# Allegro board 1281021_HW-FMC-XM500_Rev1_0.brd (continued)
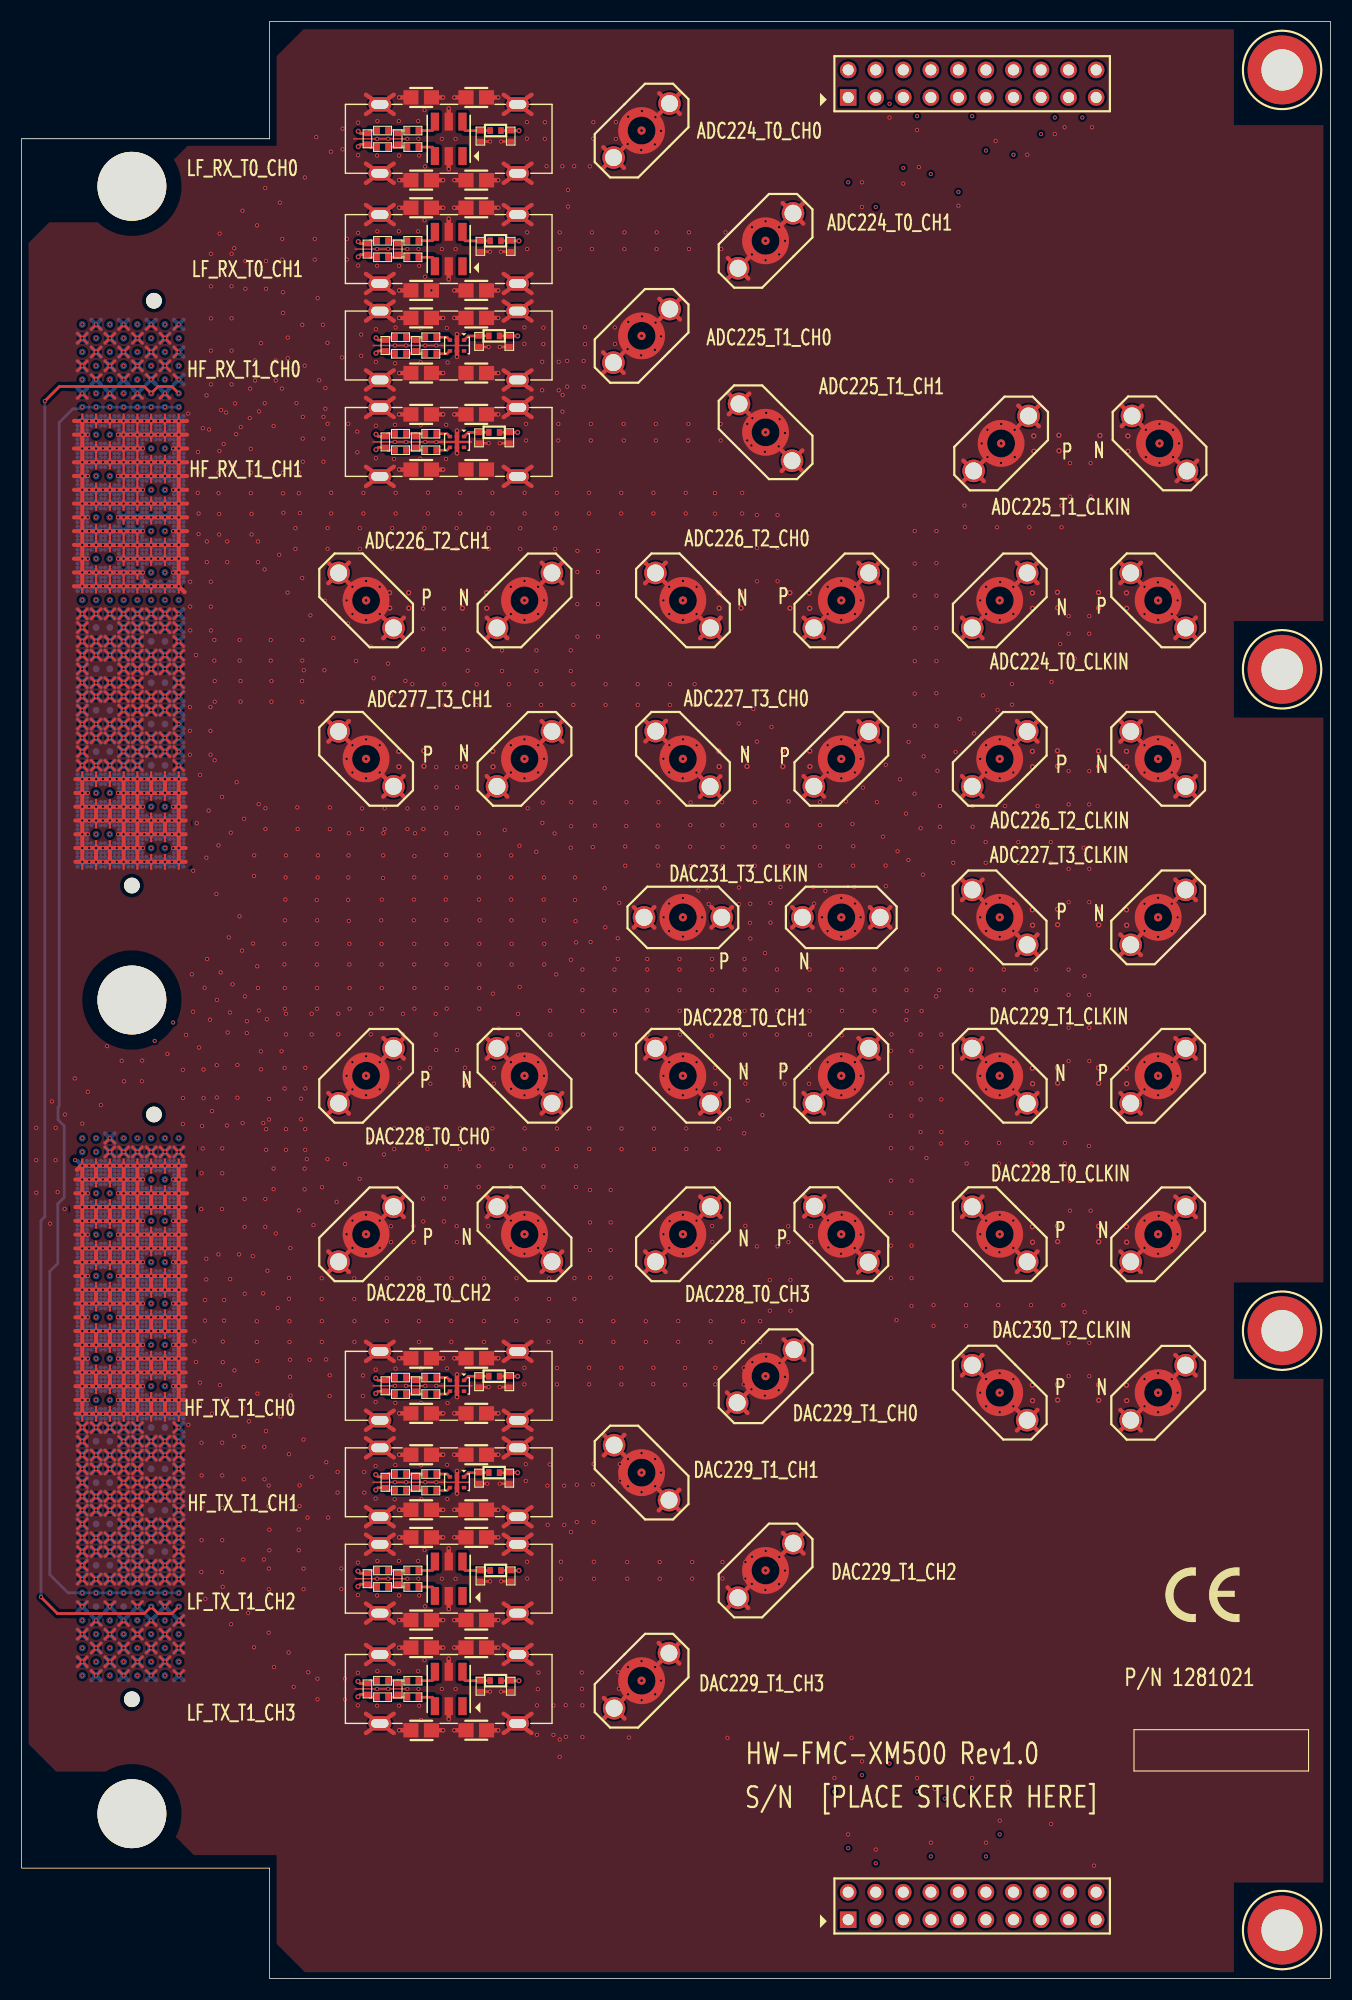
[diagram p0: board, top side]
## Routing (per net, layer and track width the routed paths; a pad name or vN(x,y) marks a point on that pad's centre or on a via; arc(x,y) is an arc through that point) (continued)
VCC1V8_BUS: length 138.2
  TOP w0.254: v2(2.13,145.37) 3.48,146.72 11.3,146.72 11.93,146.08 v2(11.94,146.08) 11.94,146.08 12.57,146.72 13.85,146.72 v2(14.48,146.08) ; v2(14.48,34.26) 13.84,33.62 12.57,33.62 v2(11.94,34.26) 11.3,33.62 3.29,33.62 v2(1.78,35.13)
  BOTTOM w0.254: v2(2.13,145.37) 2.13,70.19 1.78,69.83 v2(1.78,35.13)
VCC12_SW: length 5.1
  L02_GND/RF-SIG w0.508: v2(14.48,77.44) v2(13.21,77.44) v2(11.94,77.44) v2(10.67,77.44) v2(9.4,77.44)
ADC_CLKIN_0_N: length 106.3
  L02_GND/RF-SIG w0.104: 14.23,107.54 14.2,107.54 14.12,107.46 12.79,107.46 arc(12.71,107.49) 12.68,107.57 12.68,107.88 arc(12.71,107.95) 12.79,107.98 v2(13.21,107.98)
  L02_GND/RF-SIG w0.127: 14.23,107.54 15.94,107.54 arc(16.4,107.45) 16.78,107.19 21.05,102.92 arc(21.26,102.79) 21.5,102.74 47.16,102.74 arc(47.4,102.79) 47.61,102.92 49.69,105 arc(50.08,105.26) 50.53,105.35 76.55,105.35 arc(76.79,105.4) 77,105.54 89.64,118.19 arc(90.03,118.44) 90.48,118.53 92.11,118.53 arc(92.35,118.58) 92.56,118.72 97.1,123.26 arc(97.23,123.46) 97.28,123.71 97.28,126.37 arc(97.1,126.81) 96.65,127 v1(90.17,127)
ADC_CLKIN_0_P: length 107.2
  L02_GND/RF-SIG w0.104: v2(11.94,107.98) 12.36,107.98 arc(12.43,107.95) 12.46,107.88 12.46,107.57 arc(12.56,107.34) 12.79,107.24 14.12,107.24 14.2,107.16 14.23,107.16
  L02_GND/RF-SIG w0.127: 14.23,107.16 15.94,107.16 arc(16.25,107.1) 16.52,106.92 20.78,102.65 arc(21.11,102.43) 21.5,102.36 47.16,102.36 arc(47.55,102.43) 47.88,102.65 49.96,104.73 arc(50.22,104.91) 50.53,104.97 76.55,104.97 arc(76.94,105.05) 77.26,105.27 89.91,117.92 arc(90.18,118.09) 90.48,118.15 92.11,118.15 arc(92.5,118.23) 92.83,118.45 97.37,122.99 arc(97.59,123.32) 97.66,123.71 97.66,126.37 arc(97.85,126.81) 98.3,127 v1(104.77,127)
ADC_CLKIN_1_N: length 130.6
  L02_GND/RF-SIG w0.104: v2(8.13,109.25) 7.71,109.25 arc(7.63,109.29) 7.6,109.36 7.6,109.67 arc(7.63,109.75) 7.71,109.78 9.04,109.78 9.12,109.7 9.15,109.7
  L02_GND/RF-SIG w0.127: 9.15,109.7 15.76,109.7 arc(16,109.65) 16.21,109.51 20.98,104.74 arc(21.36,104.49) 21.82,104.39 44.4,104.39 arc(44.79,104.47) 45.12,104.69 47.44,107.02 arc(47.71,107.19) 48.02,107.26 76.27,107.26 arc(76.66,107.33) 76.99,107.55 83.27,113.84 arc(83.49,114.17) 83.57,114.56 83.57,133.88 arc(83.75,134.32) 84.2,134.51 96.77,134.51 arc(97.49,134.81) 97.79,135.53 97.79,140.84 arc(97.98,141.28) 98.42,141.47 v1(104.9,141.47)
ADC_CLKIN_1_P: length 130.4
  L02_GND/RF-SIG w0.104: v2(6.86,109.25) 7.28,109.25 arc(7.35,109.29) 7.38,109.36 7.38,109.67 arc(7.48,109.9) 7.71,110 9.04,110 9.12,110.08 9.15,110.08
  L02_GND/RF-SIG w0.127: v1(90.3,141.47) 96.77,141.47 arc(97.22,141.28) 97.41,140.84 97.41,135.53 arc(97.22,135.08) 96.77,134.89 84.2,134.89 arc(83.48,134.59) 83.19,133.88 83.19,114.56 arc(83.14,114.31) 83,114.11 76.72,107.82 arc(76.51,107.69) 76.27,107.64 48.02,107.64 arc(47.56,107.55) 47.18,107.29 44.85,104.96 arc(44.64,104.82) 44.4,104.78 21.82,104.78 arc(21.51,104.84) 21.25,105.01 16.48,109.78 arc(16.15,110) 15.76,110.08 9.15,110.08
ADC_CLKIN_2_N: length 102.6
  L02_GND/RF-SIG w0.104: v2(13.21,104.17) 12.79,104.17 arc(12.71,104.14) 12.68,104.07 12.68,103.76 arc(12.71,103.68) 12.79,103.65 14.12,103.65 14.2,103.73 14.23,103.73
  L02_GND/RF-SIG w0.127: v1(104.77,97.79) 98.3,97.79 arc(97.85,97.98) 97.66,98.43 97.66,102.95 arc(97.37,103.66) 96.65,103.96 84.21,103.96 arc(83.76,103.87) 83.37,103.61 81.75,101.99 arc(81.54,101.85) 81.3,101.8 56.57,101.8 arc(56.18,101.73) 55.85,101.51 53.2,98.85 arc(52.99,98.71) 52.75,98.66 21.18,98.66 arc(20.87,98.72) 20.61,98.9 16.12,103.38 arc(15.74,103.64) 15.28,103.73 14.23,103.73
ADC_CLKIN_2_P: length 102.4
  L02_GND/RF-SIG w0.104: 14.23,103.35 14.2,103.35 14.12,103.43 12.79,103.43 arc(12.56,103.53) 12.46,103.76 12.46,104.07 arc(12.43,104.14) 12.36,104.17 v2(11.94,104.17)
  L02_GND/RF-SIG w0.127: v1(90.17,97.79) 96.65,97.79 arc(97.1,97.98) 97.28,98.43 97.28,102.95 arc(97.1,103.4) 96.65,103.58 84.21,103.58 arc(83.9,103.52) 83.64,103.34 82.01,101.72 arc(81.69,101.5) 81.3,101.42 56.57,101.42 arc(56.33,101.37) 56.12,101.24 53.47,98.58 arc(53.14,98.36) 52.75,98.28 21.18,98.28 arc(20.72,98.37) 20.34,98.63 15.85,103.11 arc(15.59,103.29) 15.28,103.35 14.23,103.35
ADC_CLKIN_3_N: length 107.8
  L02_GND/RF-SIG w0.104: 9.15,105.89 9.12,105.89 9.04,105.97 7.71,105.97 arc(7.63,105.94) 7.6,105.86 7.6,105.55 arc(7.63,105.48) 7.71,105.44 v2(8.13,105.44)
  L02_GND/RF-SIG w0.127: v1(104.77,112.4) 98.3,112.4 arc(97.85,112.21) 97.66,111.76 97.66,107.92 arc(97.37,107.2) 96.65,106.9 82.96,106.9 arc(82.72,106.85) 82.51,106.71 79.34,103.54 arc(79.01,103.32) 78.62,103.24 54.58,103.24 arc(54.34,103.19) 54.13,103.06 51.69,100.62 arc(51.36,100.4) 50.98,100.32 21.35,100.32 arc(20.89,100.41) 20.51,100.67 15.47,105.7 arc(15.27,105.84) 15.02,105.89 9.15,105.89
ADC_CLKIN_3_P: length 107.5
  L02_GND/RF-SIG w0.104: 9.15,106.27 9.12,106.27 9.04,106.19 7.71,106.19 arc(7.48,106.09) 7.38,105.86 7.38,105.55 arc(7.35,105.48) 7.28,105.44 v2(6.86,105.44)
  L02_GND/RF-SIG w0.127: v1(90.17,112.4) 96.65,112.4 arc(97.1,112.21) 97.28,111.76 97.28,107.92 arc(97.1,107.47) 96.65,107.28 82.96,107.28 arc(82.57,107.2) 82.24,106.98 79.07,103.81 arc(78.86,103.67) 78.62,103.62 54.58,103.62 arc(54.19,103.55) 53.86,103.33 51.42,100.89 arc(51.22,100.75) 50.98,100.7 21.35,100.7 arc(21.04,100.76) 20.78,100.94 15.74,105.97 arc(15.41,106.19) 15.02,106.27 9.15,106.27
ADCIO_00: length 75.5
  L02_GND/RF-SIG w0.127: J10.1 v2(76.2,165.54)
  L05_SIG w0.127: v2(14.48,151.16) 15.65,151.16 16.54,152.05 19.66,152.05 20.52,152.91 26.17,152.91 27.24,153.98 29.06,153.98 32.41,157.33 41.02,157.33 41.69,158 59.17,158 61.53,160.36 62,160.36 67.18,165.54 v2(76.2,165.54)
ADCIO_01: length 80.4
  L02_GND/RF-SIG w0.127: J10.3 v2(78.74,163.25)
  L05_SIG w0.127: v2(78.74,163.25) 70.79,155.3 57.58,155.3 55.46,153.18 48.19,153.18 46.1,151.09 33.81,151.09 33.66,150.93 29.28,150.93 28.22,149.88 20.87,149.88 20.37,149.39 17.61,149.39 16.85,148.62 v2(14.48,148.62)
ADCIO_02: length 80.7
  L02_GND/RF-SIG w0.127: v2(81.28,166.86) 81.28,170.89 81.43,171.03 81.43,173.21 J10.5
  L05_SIG w0.127: v2(81.28,166.86) 65.29,166.86 58.76,160.33 49.35,160.33 48.85,159.83 38.05,159.83 37.1,158.88 31.32,158.88 28.41,155.98 26.13,155.98 24.72,154.57 16.46,154.57 15.01,153.11 13.89,153.11 v2(13.21,152.43)
ADCIO_03: length 84.8
  L02_GND/RF-SIG w0.127: J10.7 v2(83.82,166.3)
  L05_SIG w0.127: v2(83.82,166.3) 82.42,164.9 67.76,164.9 60.15,157.3 43.27,157.3 40.93,154.96 31.43,154.96 29.69,153.22 27.69,153.22 26.13,151.67 25.28,151.67 24.81,152.13 21.09,152.13 20.26,151.29 16.87,151.29 16.11,150.53 13.84,150.53 v2(13.21,149.89)
ADCIO_04: length 91.2
  L02_GND/RF-SIG w0.127: J10.9 v2(86.36,164.65)
  L05_SIG w0.127: v2(13.21,147.35) 13.84,146.73 15.48,146.73 16.08,147.33 20.4,147.33 20.92,147.85 27.95,147.85 29.42,146.39 46.57,146.39 47.48,147.29 52.15,147.29 52.67,146.77 59,146.77 65.83,153.6 75.31,153.6 v2(86.36,164.65)
ADCIO_05: length 89
  L02_GND/RF-SIG w0.127: J10.11 v2(88.9,168.46)
  L05_SIG w0.127: v2(88.9,168.46) 87.38,166.94 83.5,166.94 82.78,166.22 66.09,166.22 58.55,158.68 40.86,158.68 40.48,158.3 32.08,158.3 29.2,155.42 26.98,155.42 25.58,154.02 17.44,154.02 15.22,151.81 12.58,151.81 v2(11.94,151.16)
ADCIO_06: length 95.5
  L02_GND/RF-SIG w0.127: J10.13 v2(91.44,168.08)
  L05_SIG w0.127: v2(11.94,148.62) 12.56,148 17.67,148 18.13,148.46 24.8,148.46 25.5,149.16 28.38,149.16 29.14,148.39 33.65,148.39 34.58,147.46 44.09,147.46 45.02,148.39 52.57,148.39 53.53,147.44 55.47,147.44 55.48,147.44 55.53,147.44 57.46,147.44 64.52,154.49 74.55,154.49 85.47,165.41 88.77,165.41 v2(91.44,168.08)
ADCIO_07: length 94
  L02_GND/RF-SIG w0.127: J10.15 v2(93.98,169.98)
  L05_SIG w0.127: v2(10.67,152.43) 11.58,153.35 13.08,153.35 14.96,155.23 23.07,155.23 24.37,156.52 27.18,156.52 30.86,160.2 37.47,160.2 37.67,160.41 47.19,160.41 48.39,161.6 57.4,161.6 63.37,167.57 86.87,167.57 89.28,169.98 v2(93.98,169.98)
ADCIO_08: length 112.1
  L05_SIG w0.127: v2(10.67,149.89) 10.05,150.52 5.35,150.52 4.78,151.08 4.78,154.02 8.68,157.92 15.13,157.92 17.09,159.88 18.67,159.88 19.5,160.71 21.84,160.71 23.34,162.22 24.74,162.22 30.3,167.78 30.3,168.28 32.38,170.36 33.02,170.36 36.96,174.3 71.25,174.3 74.52,171.02 80.53,171.02 81.77,172.27 95.43,172.27 J10.17
ADCIO_09: length 102.7
  L05_SIG w0.127: J10.19 99.06,171.79 94.48,167.2 91.71,167.2 77.03,152.52 67.65,152.52 60.47,145.34 47.25,145.34 46.81,145.78 26.25,145.78 26.17,145.86 18.8,145.86 18.28,145.35 15.75,145.35 15.63,145.46 14.09,145.46 14.08,145.46 14.03,145.46 12.82,145.46 12.81,145.46 12.76,145.46 11.58,145.46 11.29,145.76 11.29,146.73 v2(10.67,147.35)
ADCIO_10: length 102.5
  L05_SIG w0.127: v2(9.4,151.16) 10.02,151.79 10.02,154.36 11.54,155.89 16.75,155.89 17.26,156.4 22.86,156.4 23.62,157.16 26.56,157.16 28.75,159.34 28.75,159.67 29.57,160.49 29.57,160.49 29.81,160.73 29.81,160.73 30.56,161.47 47.01,161.47 48.15,162.62 57.15,162.62 62.74,168.21 86.49,168.21 89.03,170.75 95.45,170.75 97.79,173.08 97.79,174.62 J10.20
ADCIO_11: length 103.6
  L02_GND/RF-SIG w0.127: J10.18 97.79,174.62 v2(97.79,171.51)
  L05_SIG w0.127: v2(9.4,148.62) 10.03,149.26 16.11,149.26 17.5,150.65 21.06,150.65 21.68,151.27 22.97,151.27 23.62,150.62 27.12,150.62 28.98,152.48 33.96,152.48 34.29,152.81 34.29,153.21 34.75,153.67 34.81,153.67 43.34,153.67 44.57,154.89 55.65,154.89 56.99,156.23 68.16,156.23 75.95,164.01 82.93,164.01 85.09,166.17 88.14,166.17 91.06,169.09 95.38,169.09 v2(97.79,171.51)
ADCIO_12: length 100.6
  L02_GND/RF-SIG w0.127: v2(95.25,171.51) 95.25,174.62 J10.16
  L05_SIG w0.127: v2(8.13,152.43) 8.13,153.6 10.92,156.39 16.18,156.39 16.81,157.03 22.1,157.03 22.91,157.84 25.39,157.84 31.69,164.14 57.4,164.14 62.1,168.84 85.98,168.84 88.65,171.51 v2(95.25,171.51)
ADCIO_13: length 109.6
  L05_SIG w0.127: v2(8.13,149.89) 7.5,149.27 4.35,149.27 3.33,150.29 3.33,154.89 7.37,158.93 14.35,158.93 19.8,164.39 23.65,164.39 28.07,168.8 28.07,171.89 31.88,175.7 73.02,175.7 74.08,174.65 90.19,174.65 J10.14
ADCIO_14: length 116.7
  L05_SIG w0.127: v2(8.13,147.35) 8.13,147.32 7.5,146.69 7.5,145.77 7.18,145.45 4.44,145.45 1.08,148.81 1.08,155.89 6.03,160.83 13.2,160.83 20.64,168.28 23.95,168.28 24.64,168.97 24.64,172.02 30.86,178.24 86.56,178.24 J10.12
ADCIO_15: length 95.5
  L02_GND/RF-SIG w0.127: v2(87.63,171.63) 87.63,174.62 J10.10
  L05_SIG w0.127: v2(6.86,151.16) 7.47,151.78 7.47,154.35 10.02,156.9 15.83,156.9 16.55,157.62 21.09,157.62 22.66,159.19 24.31,159.19 30.16,165.03 48.89,165.03 49.4,165.54 57.53,165.54 61.59,169.6 85.6,169.6 v2(87.63,171.63)
ADCIO_16: length 107
  L05_SIG w0.127: J10.8 83.77,175.9 82.32,177.35 31.24,177.35 25.53,171.63 25.53,168.87 24.3,167.64 21.02,167.64 13.59,160.2 6.5,160.2 1.82,155.53 1.82,149.2 4.31,146.71 5.91,146.71 6.23,147.03 6.23,148 v2(6.86,148.62)
  L05_SIG w0.203: 6.86,148.62 v2(6.86,148.62)
ADCIO_17: length 91.4
  L02_GND/RF-SIG w0.127: J10.6 82.55,174.62 v2(82.55,171.63)
  L05_SIG w0.127: v2(5.59,152.43) 5.59,153.62 9.38,157.41 15.49,157.41 16.35,158.27 19.64,158.27 21.21,159.84 22.5,159.84 23.97,161.31 25.14,161.31 31.27,167.44 36.98,167.44 37.11,167.57 46.48,167.57 47.75,166.3 57.02,166.3 61.08,170.37 81.28,170.37 v2(82.55,171.63)
ADCIO_18: length 97.1
  L02_GND/RF-SIG w0.127: J10.4 80.01,174.62 v2(80.01,172.78)
  L05_SIG w0.127: v2(5.59,149.89) 4.89,149.89 4.07,150.72 4.07,154.52 7.98,158.43 14.77,158.43 18.45,162.11 20.89,162.11 21.83,163.05 24.34,163.05 29.03,167.74 29.03,171.13 32.84,174.94 72.39,174.94 75.22,172.11 79.34,172.11 v2(80.01,172.78)
ADCIO_19: length 94
  L05_SIG w0.127: v2(5.59,147.35) 4.91,147.35 2.61,149.66 2.61,155.25 6.93,159.57 13.97,159.57 20.71,166.31 24.58,166.31 26.42,168.15 26.42,171.38 31.5,176.46 73.95,176.46 74.52,175.9 J10.2
DAC_AVTT_BUS: length 3.8
  L02_GND/RF-SIG w0.508: v2(5.59,76.17) v2(5.59,77.44) v2(6.86,77.44) v2(6.86,76.17)
DAC_CLKIN_0_N: length 129.8
  L02_GND/RF-SIG w0.104: v2(13.21,73.63) 12.79,73.63 arc(12.71,73.59) 12.68,73.52 12.68,73.42 arc(12.78,73.19) 13,73.1 14.12,73.1 14.2,73.18 14.23,73.18
  L02_GND/RF-SIG w0.127: v1(104.77,68.58) 98.42,68.58 arc(97.99,68.75) 97.79,69.17 97.79,69.22 97.79,75.34 arc(97.52,75.98) 96.89,76.24 84.66,76.24 arc(84.21,76.43) 84.02,76.88 84.02,89.3 arc(83.73,90.02) 83.01,90.31 48.93,90.31 arc(48.62,90.38) 48.36,90.55 46.71,92.2 arc(46.38,92.42) 46,92.49 21.59,92.49 arc(21.2,92.42) 20.87,92.2 18.31,89.63 arc(18.09,89.31) 18.01,88.92 18.01,86.88 arc(17.95,86.57) 17.77,86.31 15.92,84.45 arc(15.7,84.12) 15.62,83.73 15.62,73.82 arc(15.44,73.37) 14.99,73.18 14.23,73.18
DAC_CLKIN_0_P: length 129.8
  L02_GND/RF-SIG w0.104: 14.23,72.8 14.2,72.8 14.12,72.88 13,72.88 arc(12.62,73.04) 12.46,73.42 12.46,73.52 arc(12.43,73.59) 12.36,73.63 v2(11.94,73.63)
  L02_GND/RF-SIG w0.127: 14.23,72.8 14.99,72.8 arc(15.7,73.1) 16,73.82 16,83.73 arc(16.05,83.98) 16.19,84.18 18.04,86.04 arc(18.3,86.42) 18.39,86.88 18.39,88.92 arc(18.44,89.16) 18.58,89.37 21.14,91.93 arc(21.34,92.06) 21.59,92.11 46,92.11 arc(46.24,92.06) 46.44,91.93 48.09,90.28 arc(48.48,90.02) 48.93,89.93 83.01,89.93 arc(83.46,89.75) 83.64,89.3 83.64,76.88 arc(83.94,76.16) 84.66,75.86 96.89,75.86 arc(97.25,75.71) 97.41,75.34 97.41,69.21 97.41,69.16 97.4,69.16 arc(97.2,68.75) 96.77,68.58 v1(90.17,68.58)
DAC_CLKIN_1_N: length 126.7
  L02_GND/RF-SIG w0.104: 5.84,73.18 5.87,73.18 5.95,73.1 7.28,73.1 arc(7.51,73) 7.6,72.77 7.6,72.46 arc(7.63,72.39) 7.71,72.36 v2(8.13,72.36)
  L02_GND/RF-SIG w0.127: 5.84,73.18 4.8,73.18 arc(4.35,73.37) 4.17,73.81 4.17,78.17 arc(4.21,78.42) 4.35,78.62 8.98,83.25 arc(9.19,83.39) 9.43,83.44 12.72,83.44 arc(13.11,83.52) 13.43,83.74 16.49,86.79 arc(16.71,87.12) 16.79,87.51 16.79,89.55 arc(16.84,89.79) 16.98,90 21,94.02 arc(21.2,94.16) 21.44,94.21 48.42,94.21 arc(48.67,94.16) 48.87,94.02 50.71,92.19 arc(51.09,91.93) 51.55,91.84 96.65,91.84 arc(97.1,91.65) 97.28,91.2 97.28,83.82 arc(97.1,83.37) 96.65,83.19 v1(90.17,83.19)
DAC_CLKIN_1_P: length 128.2
  L02_GND/RF-SIG w0.104: v2(6.86,72.36) 7.28,72.36 arc(7.35,72.39) 7.38,72.46 7.38,72.77 arc(7.35,72.85) 7.28,72.88 5.95,72.88 5.87,72.8 5.84,72.8
  L02_GND/RF-SIG w0.127: v1(104.77,83.19) 98.3,83.19 arc(97.85,83.37) 97.66,83.82 97.66,91.2 arc(97.37,91.92) 96.65,92.22 51.55,92.22 arc(51.24,92.28) 50.98,92.46 49.14,94.29 arc(48.81,94.51) 48.42,94.59 21.44,94.59 arc(21.06,94.51) 20.73,94.29 16.71,90.27 arc(16.49,89.94) 16.41,89.55 16.41,87.51 arc(16.36,87.27) 16.22,87.06 13.17,84.01 arc(12.96,83.87) 12.72,83.82 9.43,83.82 arc(9.04,83.74) 8.71,83.52 4.08,78.89 arc(3.86,78.56) 3.78,78.17 3.78,73.81 arc(4.08,73.1) 4.8,72.8 5.84,72.8
DAC_CLKIN_2_N: length 145
  L02_GND/RF-SIG w0.104: v2(13.21,69.82) 12.79,69.82 arc(12.71,69.78) 12.68,69.71 12.68,69.4 arc(12.71,69.32) 12.79,69.29 14.12,69.29 14.2,69.37 14.23,69.37
  L02_GND/RF-SIG w0.127: v1(104.77,53.98) 98.3,53.98 arc(97.85,54.16) 97.66,54.61 97.66,60.27 arc(97.37,60.98) 96.65,61.28 81.91,61.28 arc(81.47,61.47) 81.28,61.92 81.28,87.11 arc(80.98,87.83) 80.26,88.13 45.32,88.13 arc(45.01,88.19) 44.75,88.37 42.9,90.21 arc(42.58,90.43) 42.19,90.51 21.87,90.51 arc(21.48,90.43) 21.15,90.21 19.96,89.02 arc(19.7,88.63) 19.61,88.18 19.61,86.06 arc(19.56,85.82) 19.42,85.62 arc(19.34,85.53) 19.26,85.43 19.04,85.24 arc(18.82,84.91) 18.75,84.52 18.75,80.38 arc(18.68,80.07) 18.51,79.8 17.65,78.94 arc(17.43,78.61) 17.35,78.22 17.35,70.01 arc(17.16,69.56) 16.71,69.37 14.23,69.37
DAC_CLKIN_2_P: length 144.7
  L02_GND/RF-SIG w0.104: 14.23,68.99 14.2,68.99 14.12,69.07 12.79,69.07 arc(12.56,69.17) 12.46,69.4 12.46,69.71 arc(12.43,69.78) 12.36,69.82 v2(11.94,69.82)
  L02_GND/RF-SIG w0.127: v1(90.17,53.98) 96.65,53.98 arc(97.1,54.16) 97.28,54.61 97.28,60.27 arc(97.1,60.72) 96.65,60.9 81.91,60.9 arc(81.2,61.2) 80.9,61.92 80.9,87.11 arc(80.71,87.56) 80.26,87.75 45.32,87.75 arc(44.87,87.84) 44.48,88.1 42.64,89.94 arc(42.43,90.08) 42.19,90.13 21.87,90.13 arc(21.63,90.08) 21.42,89.94 20.23,88.75 arc(20.05,88.49) 19.99,88.18 19.99,86.06 arc(19.91,85.68) 19.69,85.35 arc(19.62,85.27) 19.56,85.19 19.55,85.19 19.55,85.2 19.31,84.97 arc(19.17,84.76) 19.13,84.52 19.13,80.38 arc(19.04,79.92) 18.78,79.53 17.92,78.67 arc(17.78,78.47) 17.73,78.22 17.73,70.01 arc(17.43,69.29) 16.71,68.99 14.23,68.99
DAC_CLKIN_3_N: length 101.9
  L02_GND/RF-SIG w0.104: v2(8.13,68.55) 7.71,68.55 arc(7.63,68.58) 7.6,68.65 7.6,68.96 arc(7.51,69.19) 7.28,69.29 5.95,69.29 5.87,69.37 5.84,69.37
  L02_GND/RF-SIG w0.127: v1(75.56,97.79) 73.92,99.43 arc(73.49,99.72) 72.98,99.82 68.91,99.82 arc(68.46,99.64) 68.28,99.19 68.28,95.73 arc(67.98,95.01) 67.26,94.72 54.76,94.72 arc(54.37,94.79) 54.04,95.01 53,96.06 arc(52.79,96.2) 52.55,96.24 21.27,96.24 arc(21.03,96.2) 20.82,96.06 15.35,90.58 arc(15.21,90.38) 15.16,90.14 15.16,88.27 arc(15.09,87.89) 14.87,87.56 12.9,85.59 arc(12.57,85.37) 12.18,85.29 9.13,85.29 arc(8.88,85.24) 8.68,85.11 2.68,79.1 arc(2.54,78.9) 2.49,78.65 2.49,71.56 arc(2.54,71.32) 2.68,71.11 4.23,69.56 arc(4.44,69.42) 4.68,69.37 5.84,69.37
DAC_CLKIN_3_P: length 101.7
  L02_GND/RF-SIG w0.104: v2(6.86,68.55) 7.28,68.55 arc(7.35,68.58) 7.38,68.65 7.38,68.96 arc(7.35,69.04) 7.28,69.07 5.95,69.07 5.87,68.99 5.84,68.99
  L02_GND/RF-SIG w0.127: 5.84,68.99 4.68,68.99 arc(4.29,69.07) 3.96,69.29 2.41,70.84 arc(2.19,71.17) 2.11,71.56 2.11,78.65 arc(2.19,79.04) 2.41,79.37 8.41,85.38 arc(8.74,85.6) 9.13,85.67 12.18,85.67 arc(12.43,85.72) 12.63,85.86 14.6,87.83 arc(14.73,88.03) 14.78,88.27 14.78,90.14 arc(14.86,90.52) 15.08,90.85 20.55,96.33 arc(20.88,96.55) 21.27,96.63 52.55,96.63 arc(52.94,96.55) 53.27,96.33 54.31,95.28 arc(54.52,95.15) 54.76,95.1 67.26,95.1 arc(67.71,95.28) 67.89,95.73 67.89,99.14 arc(67.89,99.19) 67.88,99.25 arc(67.67,99.62) 67.26,99.77 63.18,99.77 arc(62.94,99.72) 62.73,99.59 v1(60.96,97.79)
DACIO_00: length 82.4
  L02_GND/RF-SIG w0.127: v2(77.47,18.73) 77.69,18.51 77.69,6.88 J9.1
  L05_SIG w0.127: v2(14.48,31.72) 16.22,31.72 25.53,22.41 39.62,22.41 42.29,19.74 76.45,19.74 v2(77.47,18.73)
DACIO_01: length 83.1
  L02_GND/RF-SIG w0.127: v2(74.93,17.2) 74.93,4.15 75.27,3.81 77.15,3.81 J9.3
  L05_SIG w0.127: v2(14.48,29.18) 15.19,29.18 24.03,20.34 36.49,20.34 39.62,17.2 v2(74.93,17.2)
DACIO_02: length 88.1
  L02_GND/RF-SIG w0.127: v2(80.01,19.79) 80.01,6.67 J9.5
  L05_SIG w0.127: v2(13.21,32.99) 13.81,33.58 15.07,33.58 15.37,33.27 20.01,33.27 26.56,26.73 30.73,26.73 31.37,26.09 41.66,26.09 43.18,24.57 49.12,24.57 50.97,22.72 50.97,21.95 51.65,21.27 78.53,21.27 v2(80.01,19.79)
DACIO_03: length 87.2
  L02_GND/RF-SIG w0.127: J9.7 82.55,6.67 v2(82.55,17.2)
  L05_SIG w0.127: v2(13.21,30.45) 13.79,29.86 15.66,29.86 24.51,21.01 37.34,21.01 40.42,17.93 75.35,17.93 76.07,17.2 v2(82.55,17.2)
DACIO_04: length 88.8
  L02_GND/RF-SIG w0.127: v2(85.09,16.57) 85.09,6.67 J9.9
  L05_SIG w0.127: v2(13.21,27.91) 13.83,28.53 14.98,28.53 23.77,19.74 35.56,19.74 38.73,16.57 v2(85.09,16.57)
DACIO_05: length 94.5
  L02_GND/RF-SIG w0.127: J9.11 87.63,6.67 v2(87.63,17.2)
  L05_SIG w0.127: v2(11.94,31.72) 12.52,32.3 16.91,32.3 24.64,24.57 39.88,24.57 43.43,21.01 49.98,21.01 50.45,20.55 77.97,20.55 79.5,19.02 85.81,19.02 v2(87.63,17.2)
DACIO_06: length 93.8
  L02_GND/RF-SIG w0.127: v2(90.17,13.27) 90.17,6.67 J9.13
  L05_SIG w0.127: v2(11.94,29.18) 12.52,28.59 12.52,27.67 12.98,27.21 15.45,27.21 23.55,19.11 34.8,19.11 37.97,15.93 86.05,15.93 87.2,14.79 88.65,14.79 v2(90.17,13.27)
DACIO_07: length 114.6
  L05_SIG w0.127: v2(10.67,32.99) 11.25,33.57 11.25,34.25 11.85,34.85 15.37,34.85 16,34.22 18.16,34.22 18.37,34.43 22.15,34.43 25.11,31.46 40.22,31.46 45.85,25.84 50.57,25.84 50.91,25.5 50.91,25.13 52.99,23.04 87.88,23.04 100.46,10.47 100.46,4.53 100.05,4.12 95.26,4.12 J9.15
DACIO_08: length 111.7
  L05_SIG w0.127: v2(10.67,30.45) 10.04,29.82 5.03,29.82 4.62,29.41 4.62,25.41 7.62,22.41 15.14,22.41 22.31,15.24 29.65,15.24 33.66,11.23 81.98,11.23 82.62,10.6 93.09,10.6 95.25,8.44 95.25,6.67 J9.17
DACIO_09: length 98.8
  L05_SIG w0.127: J9.19 97.79,6.67 97.79,8.44 93.54,12.69 89.61,12.69 88.94,13.36 86.98,13.34 85.16,15.17 37.08,15.17 33.78,18.47 23.34,18.47 15.32,26.5 12.42,26.5 11.01,27.91 v2(10.67,27.91)
DACIO_10: length 99.8
  L05_SIG w0.127: v2(9.4,31.72) 9.98,31.13 15.54,31.13 25.02,21.65 38.73,21.65 41.35,19.03 75.5,19.03 76.57,17.96 85.37,17.96 86.97,16.36 91.14,16.36 99.06,8.44 J9.20
DACIO_11: length 97.9
  L05_SIG w0.127: J9.18 96.52,8.31 93.01,11.82 87.01,11.82 84.43,14.41 36.32,14.41 32.89,17.84 23.13,17.84 15.38,25.58 12.14,25.58 10.69,27.03 9.4,27.03 8.81,27.62 8.81,28.59 v2(9.4,29.18)
DACIO_12: length 118.8
  L05_SIG w0.127: J9.16 92.7,6.66 83.2,6.66 82.58,6.04 82.58,4.98 81.84,4.25 32.77,4.25 24.95,12.06 21.16,12.06 13.36,19.87 4.95,19.87 1.53,23.29 1.53,32.07 3.09,33.63 7.52,33.63 8.13,33.02 v2(8.13,32.99)
DACIO_13: length 105.7
  L05_SIG w0.127: J9.14 89.54,9.84 31.75,9.84 27.62,13.97 21.84,13.97 14.42,21.39 6.6,21.39 3.48,24.52 3.48,30.08 4.47,31.07 7.5,31.07 v2(8.13,30.45)
DACIO_14: length 92.8
  L02_GND/RF-SIG w0.127: v2(88.9,11.23) J9.12
  L05_SIG w0.127: v2(88.9,11.23) 85.99,11.23 83.48,13.75 35.46,13.75 32,17.2 22.92,17.2 16.19,23.93 9.02,23.93 8.13,24.82 v2(8.13,27.91)
DACIO_15: length 101.7
  L05_SIG w0.127: J9.10 85.1,9.2 30.86,9.2 26.73,13.33 21.62,13.33 14.07,20.89 6.1,20.89 2.84,24.14 2.84,30.71 4.46,32.33 6.25,32.33 6.86,31.72 v2(6.86,31.72)
DACIO_16: length 90.5
  L02_GND/RF-SIG w0.127: v2(83.82,11.23) J9.8
  L05_SIG w0.127: v2(6.86,29.18) 6.27,28.59 6.27,25.79 8.64,23.43 15.84,23.43 22.76,16.51 31.17,16.51 34.92,12.76 82.3,12.76 v2(83.82,11.23)
DACIO_17: length 98.5
  L05_SIG w0.127: J9.6 80.49,7.15 80.43,7.1 80.42,7.08 80,6.66 31.75,6.66 25.71,12.7 21.38,12.7 13.71,20.38 5.46,20.38 2.15,23.69 2.15,31.41 3.72,32.99 v2(5.59,32.99)
DACIO_18: length 89.9
  L02_GND/RF-SIG w0.127: v2(78.74,10.6) J9.4
  L05_SIG w0.127: v2(5.59,30.45) 4.73,30.45 4.09,29.8 4.09,24.92 7.11,21.9 14.78,21.9 22.08,14.61 28.63,14.61 32.64,10.6 v2(78.74,10.6)
DACIO_19: length 82.7
  L02_GND/RF-SIG w0.127: v2(76.2,12) J9.2
  L05_SIG w0.127: v2(5.59,27.91) 5.59,25.46 8.13,22.92 15.5,22.92 22.55,15.88 30.41,15.88 34.29,12 v2(76.2,12)
RFMC_ADC_00_N: length 45.8
  TOP w0.241: v1(31.03,168.83) 31.25,169.04 R59.1 32.17,168.75 32.74,168.75 R57.2
  L02_GND/RF-SIG w0.104: 9.15,142.72 9.12,142.72 9.04,142.8 7.71,142.8 arc(7.63,142.77) 7.6,142.69 7.6,142.38 arc(7.63,142.31) 7.71,142.27 v2(8.13,142.27)
  L02_GND/RF-SIG w0.127: v1(31.03,168.83) 30.67,169.19 arc(30.5,169.3) 30.3,169.34 28.66,169.34 arc(28.42,169.29) 28.21,169.16 18.78,159.72 arc(18.64,159.51) 18.59,159.27 18.59,146.24 arc(18.51,145.86) 18.29,145.53 17.36,144.6 arc(17.32,144.49) 17.35,144.39 arc(17.39,144.28) 17.35,144.18 17.02,143.86 arc(16.92,143.81) 16.81,143.85 arc(16.71,143.89) 16.61,143.84 15.78,143.02 arc(15.45,142.8) 15.06,142.72 9.15,142.72
RFMC_ADC_00_P: length 45.8
  TOP w0.241: R62.2 32.14,170.31 R59.2 31.22,170.05 v1(31.03,170.24)
  L02_GND/RF-SIG w0.104: 9.15,143.1 9.12,143.1 9.04,143.02 7.71,143.02 arc(7.48,142.92) 7.38,142.69 7.38,142.38 arc(7.35,142.31) 7.28,142.27 v2(6.86,142.27)
  L02_GND/RF-SIG w0.127: v1(31.03,170.24) 30.67,169.87 arc(30.5,169.76) 30.3,169.72 28.66,169.72 arc(28.27,169.65) 27.95,169.43 18.51,159.99 arc(18.29,159.66) 18.21,159.27 18.21,146.24 arc(18.16,146) 18.02,145.8 15.51,143.29 arc(15.31,143.15) 15.06,143.1 9.15,143.1
RFMC_ADC_01_N: length 45.3
  TOP w0.241: R49.2 32.14,158.62 R52.1 31.25,158.88 v1(31.03,158.67)
  L02_GND/RF-SIG w0.104: 14.23,141.45 14.2,141.45 14.12,141.53 12.79,141.53 arc(12.71,141.5) 12.68,141.42 12.68,141.11 arc(12.71,141.04) 12.79,141 v2(13.21,141)
  L02_GND/RF-SIG w0.127: v1(31.03,158.67) 30.67,159.03 arc(30.5,159.14) 30.3,159.18 22.41,159.18 arc(21.96,159) 21.77,158.55 21.77,155.28 arc(21.96,154.84) 22.41,154.65 26,154.65 arc(26.71,154.35) 27.01,153.63 27.01,151.08 arc(26.71,150.36) 26,150.06 23.29,150.06 arc(22.85,149.88) 22.66,149.43 22.66,146.93 arc(22.58,146.54) 22.36,146.21 18.95,142.79 arc(18.9,142.69) 18.94,142.58 arc(18.99,142.47) 18.94,142.37 18.62,142.04 arc(18.51,142) 18.4,142.04 arc(18.3,142.08) 18.19,142.04 17.9,141.75 arc(17.57,141.53) 17.18,141.45 14.23,141.45
RFMC_ADC_01_P: length 45.3
  TOP w0.241: v1(31.03,160.08) 31.22,159.89 R52.2 32.14,160.15 R55.2
  L02_GND/RF-SIG w0.104: v2(11.94,141) 12.36,141 arc(12.43,141.04) 12.46,141.11 12.46,141.42 arc(12.56,141.65) 12.79,141.75 14.12,141.75 14.2,141.83 14.23,141.83
  L02_GND/RF-SIG w0.127: v1(31.03,160.08) 30.67,159.71 arc(30.5,159.6) 30.3,159.56 22.41,159.56 arc(21.69,159.27) 21.39,158.55 21.39,155.28 arc(21.69,154.57) 22.41,154.27 26,154.27 arc(26.45,154.08) 26.63,153.63 26.63,151.08 arc(26.45,150.63) 26,150.44 23.29,150.44 arc(22.58,150.15) 22.28,149.43 22.28,146.93 arc(22.23,146.68) 22.09,146.48 17.63,142.02 arc(17.42,141.88) 17.18,141.83 14.23,141.83
RFMC_ADC_02_N: length 33.1
  TOP w0.241: v1(32.67,149.79) 32.87,149.99 R45.2 33.79,149.73 R48.2
  L02_GND/RF-SIG w0.104: 9.15,138.91 9.12,138.91 9.04,138.99 7.71,138.99 arc(7.63,138.96) 7.6,138.88 7.6,138.57 arc(7.63,138.5) 7.71,138.46 v2(8.13,138.46)